# Altium PCB 10515.0461_全联供输出板(2拼版)_V1.0.PcbDoc (part 8 of 9)
Units mm, origin at the board's own origin, x right, y up, seen from the top; angles counter-clockwise.
Board outline 283.88 x 134.8 mm, 2 copper layers (Top Layer, Bottom Layer); 298 components, 0 nets, 1264 pads, 970 vias.
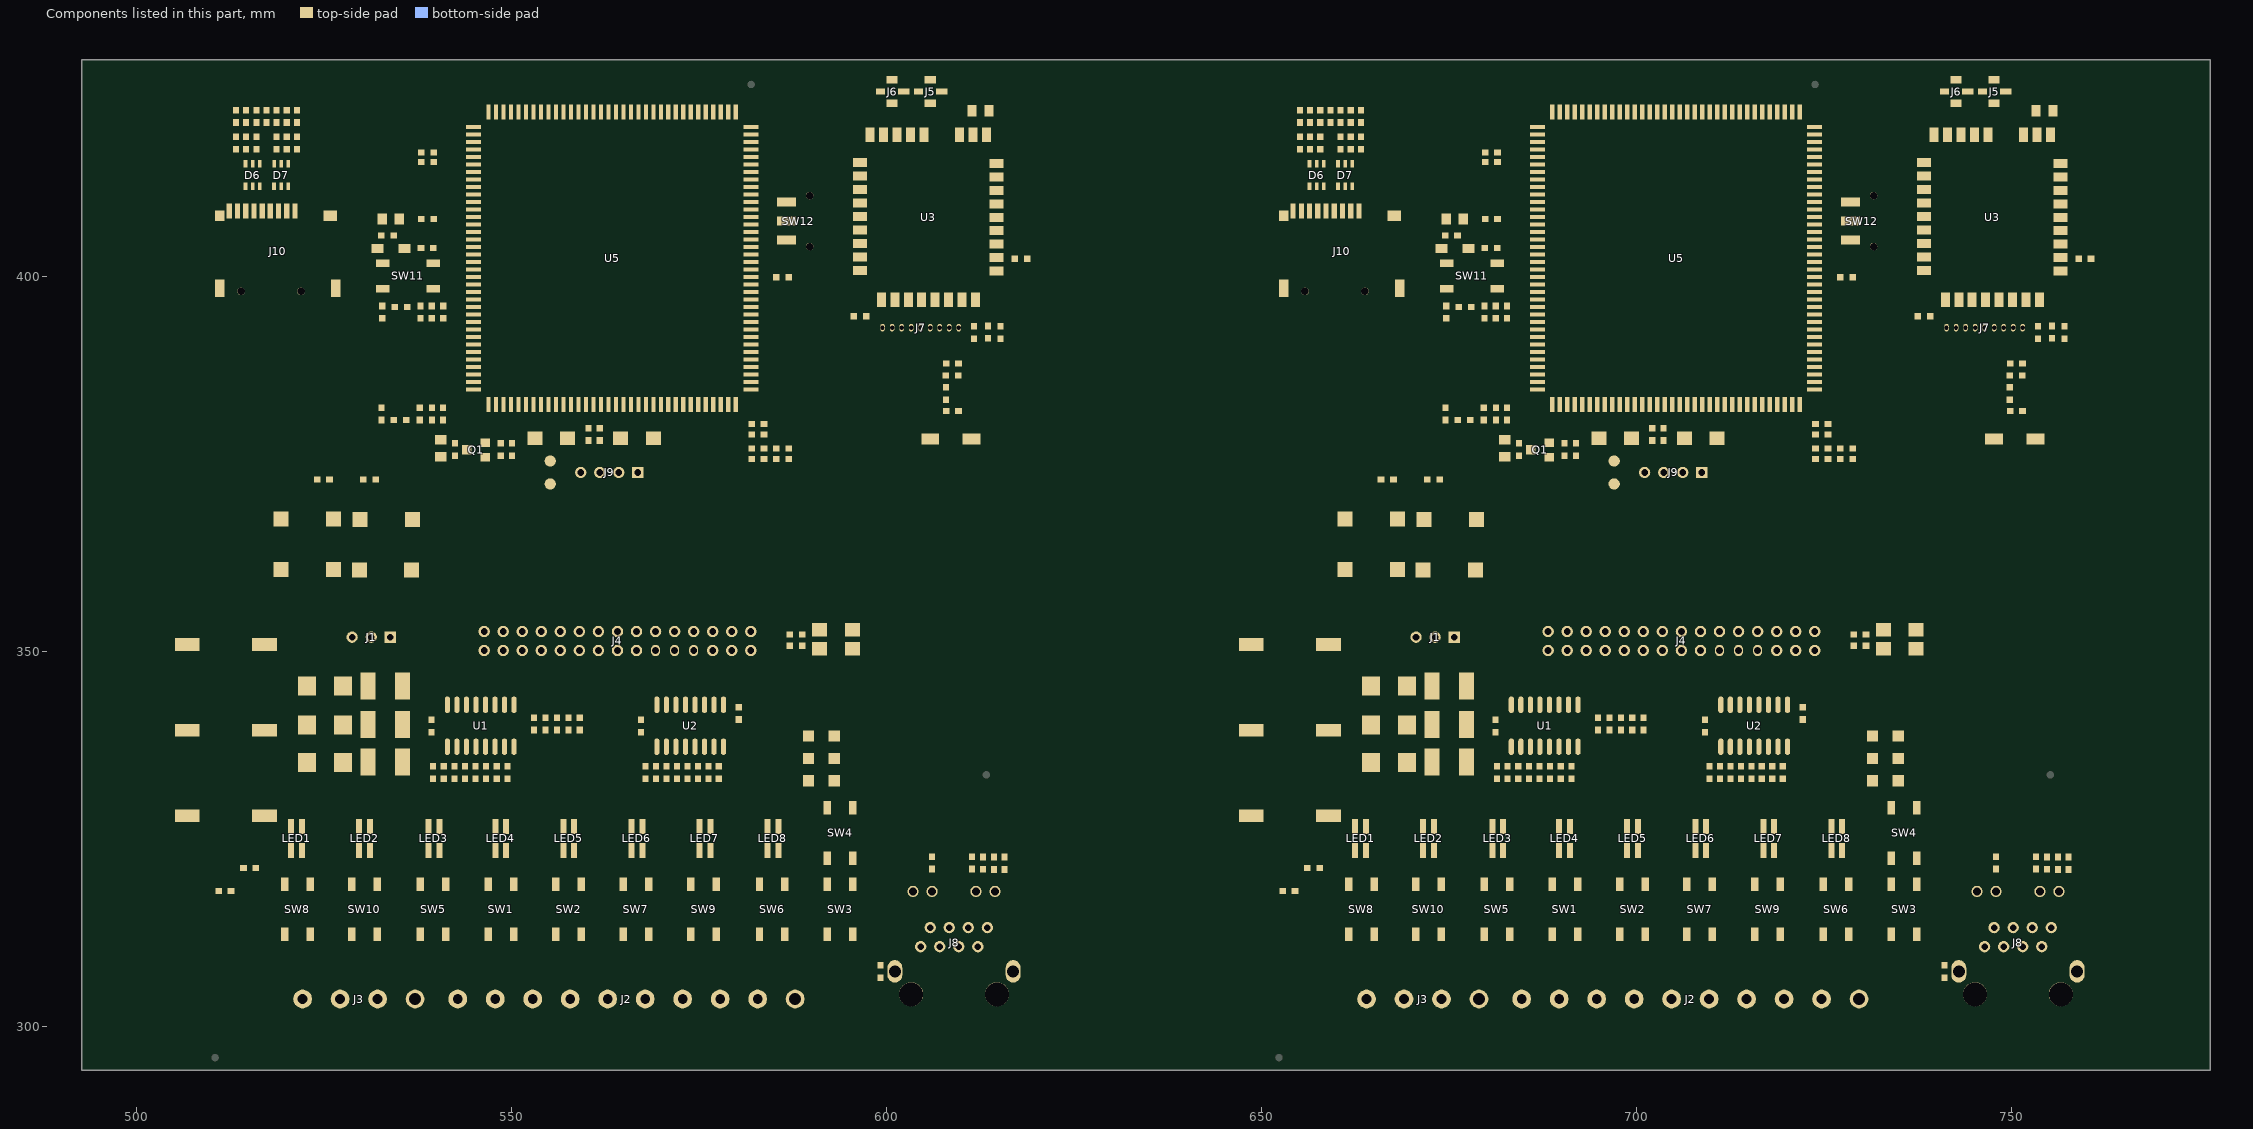
[diagram p8: the components of this part, seen from the top]

## Via types
v1: diameter 0.7, hole 0.4, Top Layer to Bottom Layer, tented both sides, 970 vias

## Nets (pads, with @x,y where several pads share a name; then routed paths per layer and width w, separated by ;. In a path a pad name is that pad's centre, name@x,y a point inside that pad or via, vN(x,y) a via of type N, cw(c..) or ccw(c..) an arc to the next point about the centre after c; other vN are vias at no path point) (continued)
copper on no net: (continued)
  Bottom Layer w0.8: v1(510.159,328.035) 513.541,328.035 514.223,327.353 v1(514.223,323.035) v1(514.223,322.273) ; v1@519.126,413.205 ccw(c519.619,413.205) 519.27,412.857 ; 520.319,411.808 519.875,412.253 ; 522.915,412.253 ccw(c522.915,413.216) v1@523.597,412.535 ; v1@523.526,412.535 ccw(c524.207,413.216) 524.207,412.253 ; v1@528.955,398.219 531.876,395.298 v1(531.876,380.693) ; v1@529.54,375.103 ccw(c530.2,375.13) v1(530.2,374.47) ; v1@529.555,374.505 cw(c531.002,373.058) 531.002,375.105 ; v1@529.555,375.07 ccw(c531.002,376.517) 531.002,374.47 ; v1@529.59,374.225 cw(c530.612,374.225) v1@530.178,375.15 ; v1@529.59,374.495 cw(c530.252,374.495) v1@530.195,375.155 ; v1@529.594,375.155 cw(c529.538,374.495) v1@530.2,374.495 ; v1@529.596,374.42 ccw(c529.51,375.105) v1(530.2,375.105) v1(530.2,374.47) ; v1@529.611,375.15 cw(c529.178,374.225) v1@530.2,374.225 ; v1@530.164,374.505 cw(c531.612,373.058) 531.612,375.105 ; v1@530.164,375.07 ccw(c531.612,376.517) 531.612,374.47 ; v1@530.193,374.42 cw(c530.28,375.105) v1(529.59,375.105) ; v1@530.25,374.472 ccw(c529.59,374.445) v1(529.59,375.105) ; v1(533.4,392.758) 533.4,395.806 530.606,398.6 530.606,410.538 ; 542.066,373.327 cw(c542.066,372.147) v1@542.901,372.981 ; v1@542.83,372.981 cw(c543.664,372.147) 543.664,373.327 ; v1(544.576,382.598) 544.576,379.804 545.211,379.169 v1(546.481,379.169) ; 549.91,373.327 551.815,371.422 563.753,371.422 ; 550.672,373.327 550.672,373.2 551.815,372.057 ; 551.815,371.838 cw(c553.36,371.838) v1@552.489,373.114 ; 551.815,373.327 551.815,372.057 ; 552.025,373.327 cw(c552.025,372.58) v1@552.553,373.108 ; 552.381,372.623 ccw(c551.93,373.073) v1@552.567,373.073 ; v1@552.482,373.108 cw(c553.01,372.58) 553.01,373.327 ; v1@552.498,373.119 cw(c552.844,372.264) 553.496,372.916 ; v1@552.517,373.023 ccw(c552.517,373.66) 552.968,373.21 ; v1@552.517,373.123 cw(c552.517,371.26) 553.835,372.577 ; v1@552.544,373.115 cw(c551.904,372.123) 553.085,372.123 ; v1@552.553,373.038 ccw(c551.267,374.323) 553.085,374.323 ; 553.085,372.311 553.085,373.327 ; 553.085,374.597 552.323,373.835 540.385,373.835 539.115,375.105 538.353,375.105 ; v1(553.085,376.756) 553.085,373.327 ; 554.355,372.057 553.085,373.327 ; 562.483,372.057 564.261,373.835 ; 563.817,372.502 ccw(c563.147,373.171) 563.96,373.656 ; 563.911,373.835 cw(c563.066,373.835) 563.664,373.238 cw(c564.261,372.64) 564.261,373.485 ; v1@567.421,375.994 ccw(c567.421,378.041) v1@568.868,376.594 ; v1@567.898,376.609 ccw(c568.833,377.012) v1(568.833,375.994) v1(567.309,375.994) ; v1(567.944,376.629) v1(567.309,375.994) ; v1@567.994,376.625 cw(c567.309,376.681) v1(567.309,375.994) ; 570.006,371.422 ccw(c570.006,372.602) v1@570.841,371.768 ; v1@570.77,371.768 ccw(c571.604,372.602) 571.604,371.422 ; 571.918,371.422 ccw(c571.918,373.036) v1@573.059,371.895 ; v1@572.989,371.895 ccw(c574.13,373.036) 574.13,371.422 ; 576.631,371.422 ccw(c576.631,372.299) v1@577.25,371.679 ; 576.814,371.93 cw(c576.814,371.314) v1@577.25,371.749 ; v1@577.18,371.679 ccw(c577.799,372.299) 577.799,371.422 ; v1@577.18,371.749 cw(c577.616,371.314) 577.616,371.93 ; 582.399,371.422 ccw(c582.399,373.036) v1@583.541,371.895 ; v1@583.47,371.895 ccw(c584.611,373.036) 584.611,371.422 ; 587.786,371.93 cw(c587.786,370.75) v1@588.621,371.584 ; v1@588.55,371.584 cw(c589.384,370.75) 589.384,371.93 ; v1@588.927,374.371 ccw(c590.222,375.666) 590.222,373.835 ; v1@588.991,373.87 cw(c590.438,372.423) 590.438,374.47 ; v1@589.012,374.402 cw(c588.391,374.459) v1(588.391,373.835) ; 591.85,371.93 cw(c591.85,370.75) v1@592.685,371.584 ; v1@592.614,371.584 cw(c593.448,370.75) 593.448,371.93 ; 595.3,371.422 ccw(c595.3,372.299) v1@595.919,371.679 ; 595.483,371.93 cw(c595.483,371.314) v1@595.919,371.749 ; v1@595.849,371.679 ccw(c596.468,372.299) 596.468,371.422 ; v1@595.849,371.749 cw(c596.285,371.314) 596.285,371.93 ; 599.679,374.47 cw(c599.679,372.423) v1@601.126,373.87 ; 600.112,371.93 cw(c600.112,370.316) v1@601.253,371.457 ; 600.441,374.47 cw(c600.441,372.423) v1@601.888,373.87 ; 600.493,371.422 ccw(c600.493,373.036) v1@601.634,371.895 ; 600.874,371.93 cw(c600.874,370.316) v1@602.015,371.457 ; v1@601.048,373.86 cw(c602.107,373.245) v1(602.107,374.47) ; v1@601.183,371.457 cw(c602.324,370.316) v1@602.324,371.93 ; v1@601.382,371.422 ccw(c601.382,373.036) v1@602.523,371.895 ; v1@601.567,371.892 ccw(c602.007,372.411) v1(602.488,371.93) ; v1@601.93,371.427 cw(c602.488,371.369) v1(602.488,371.93) ; v1@602.538,371.925 cw(c601.98,371.983) v1(601.98,371.422) ; v1(652.059,328.035) 655.441,328.035 656.123,327.353 v1(656.123,323.035) v1(656.123,322.273) ; v1@661.026,413.205 ccw(c661.518,413.205) 661.17,412.857 ; 662.219,411.808 661.774,412.253 ; 664.815,412.253 ccw(c664.815,413.216) v1@665.497,412.535 ; v1@665.426,412.535 ccw(c666.107,413.216) 666.107,412.253 ; v1@670.855,398.219 673.776,395.298 v1(673.776,380.693) ; v1@671.44,375.103 ccw(c672.1,375.13) v1(672.1,374.47) ; v1@671.455,374.505 cw(c672.902,373.058) 672.902,375.105 ; v1@671.455,375.07 ccw(c672.902,376.517) 672.902,374.47 ; v1@671.49,374.225 cw(c672.512,374.225) v1@672.078,375.15 ; v1@671.49,374.495 cw(c672.152,374.495) v1@672.095,375.155 ; v1@671.494,375.155 cw(c671.438,374.495) v1@672.1,374.495 ; v1@671.496,374.42 ccw(c671.41,375.105) v1(672.1,375.105) v1(672.1,374.47) ; v1@671.511,375.15 cw(c671.078,374.225) v1@672.1,374.225 ; v1@672.064,374.505 cw(c673.512,373.058) 673.512,375.105 ; v1@672.064,375.07 ccw(c673.512,376.517) 673.512,374.47 ; v1@672.093,374.42 cw(c672.18,375.105) v1(671.49,375.105) ; v1@672.15,374.472 ccw(c671.49,374.445) v1(671.49,375.105) ; v1(675.3,392.758) 675.3,395.806 672.506,398.6 672.506,410.538 ; 683.966,373.327 cw(c683.966,372.147) v1@684.801,372.981 ; v1@684.73,372.981 cw(c685.564,372.147) 685.564,373.327 ; v1(686.476,382.598) 686.476,379.804 687.111,379.169 v1(688.381,379.169) ; 691.81,373.327 693.715,371.422 705.653,371.422 ; 692.572,373.327 692.572,373.2 693.715,372.057 ; 693.715,371.838 cw(c695.26,371.838) v1@694.389,373.114 ; 693.715,373.327 693.715,372.057 ; 693.925,373.327 cw(c693.925,372.58) v1@694.453,373.108 ; 694.281,372.623 ccw(c693.83,373.073) v1@694.467,373.073 ; v1@694.382,373.108 cw(c694.91,372.58) 694.91,373.327 ; v1@694.398,373.119 cw(c694.744,372.264) 695.396,372.916 ; v1@694.417,373.023 ccw(c694.417,373.66) 694.868,373.21 ; v1@694.417,373.123 cw(c694.417,371.26) 695.735,372.577 ; v1@694.444,373.115 cw(c693.804,372.123) 694.985,372.123 ; v1@694.453,373.038 ccw(c693.167,374.323) 694.985,374.323 ; 694.985,372.311 694.985,373.327 ; 694.985,374.597 694.223,373.835 682.285,373.835 681.015,375.105 680.253,375.105 ; v1(694.985,376.756) 694.985,373.327 ; 696.255,372.057 694.985,373.327 ; 704.383,372.057 706.161,373.835 ; 705.717,372.502 ccw(c705.047,373.171) 705.86,373.656 ; 705.811,373.835 cw(c704.966,373.835) 705.564,373.238 cw(c706.161,372.64) 706.161,373.485 ; v1@709.321,375.994 ccw(c709.321,378.041) v1@710.768,376.594 ; v1@709.798,376.609 ccw(c710.733,377.012) v1(710.733,375.994) v1(709.209,375.994) ; v1(709.844,376.629) v1(709.209,375.994) ; v1@709.894,376.625 cw(c709.209,376.681) v1(709.209,375.994) ; 711.906,371.422 ccw(c711.906,372.602) v1@712.741,371.768 ; v1@712.67,371.768 ccw(c713.504,372.602) 713.504,371.422 ; 713.818,371.422 ccw(c713.818,373.036) v1@714.959,371.895 ; v1@714.889,371.895 ccw(c716.03,373.036) 716.03,371.422 ; 718.531,371.422 ccw(c718.531,372.299) v1@719.15,371.679 ; 718.714,371.93 cw(c718.714,371.314) v1@719.15,371.749 ; v1@719.08,371.679 ccw(c719.699,372.299) 719.699,371.422 ; v1@719.08,371.749 cw(c719.516,371.314) 719.516,371.93 ; 724.299,371.422 ccw(c724.299,373.036) v1@725.441,371.895 ; v1@725.37,371.895 ccw(c726.511,373.036) 726.511,371.422 ; 729.686,371.93 cw(c729.686,370.75) v1@730.521,371.584 ; v1@730.45,371.584 cw(c731.284,370.75) 731.284,371.93 ; v1@730.827,374.371 ccw(c732.122,375.666) 732.122,373.835 ; v1@730.891,373.87 cw(c732.338,372.423) 732.338,374.47 ; v1@730.912,374.402 cw(c730.291,374.459) v1(730.291,373.835) ; 733.75,371.93 cw(c733.75,370.75) v1@734.585,371.584 ; v1@734.514,371.584 cw(c735.348,370.75) 735.348,371.93 ; 737.2,371.422 ccw(c737.2,372.299) v1@737.819,371.679 ; 737.383,371.93 cw(c737.383,371.314) v1@737.819,371.749 ; v1@737.749,371.679 ccw(c738.368,372.299) 738.368,371.422 ; v1@737.749,371.749 cw(c738.185,371.314) 738.185,371.93 ; 741.579,374.47 cw(c741.579,372.423) v1@743.026,373.87 ; 742.012,371.93 cw(c742.012,370.316) v1@743.153,371.457 ; 742.341,374.47 cw(c742.341,372.423) v1@743.788,373.87 ; 742.393,371.422 ccw(c742.393,373.036) v1@743.534,371.895 ; 742.774,371.93 cw(c742.774,370.316) v1@743.915,371.457 ; v1@742.948,373.86 cw(c744.007,373.245) v1(744.007,374.47) ; v1@743.083,371.457 cw(c744.224,370.316) v1@744.224,371.93 ; v1@743.282,371.422 ccw(c743.282,373.036) v1@744.423,371.895 ; v1@743.467,371.892 ccw(c743.907,372.411) v1(744.388,371.93) ; v1@743.83,371.427 cw(c744.388,371.369) v1(744.388,371.93) ; v1@744.438,371.925 cw(c743.88,371.983) v1(743.88,371.422) ; 519.875,412.253 529.654,412.253 530.606,411.3 530.606,410.538 ; 519.875,412.253 519.176,412.951 v1(519.176,413.205) 519.176,412.189 519.557,411.808 529.336,411.808 530.606,410.538 ; v1(529.59,374.47) ccw(c529.59,375.13) 530.25,375.103 cw(c529.59,375.13) v1(529.59,374.47) ; v1(529.59,374.47) 538.988,374.47 540.131,373.327 ; v1(529.59,374.47) v1(530.2,374.47) ; v1(529.59,374.47) v1(529.59,375.105) ; v1(529.59,375.105) 538.353,375.105 ; 538.353,375.105 540.131,373.327 ; 540.131,373.327 553.085,373.327 ; 551.815,372.057 563.372,372.057 564.261,372.946 564.261,373.835 ; 551.815,372.057 553.085,373.327 ; 563.753,371.422 v1(601.98,371.422) ; 563.753,371.422 564.261,371.93 564.261,372.438 ; 564.261,372.438 564.769,371.93 v1(602.488,371.93) ; 564.261,372.438 564.261,373.835 ; 564.261,372.99 ccw(c563.416,372.99) 564.014,373.588 cw(c563.416,372.99) 564.261,372.99 ; 564.261,372.99 cw(c565.106,372.99) 564.508,373.588 ccw(c565.106,372.99) 564.261,372.99 ; v1(588.391,373.835) 589.026,374.47 v1(602.107,374.47) ; v1(588.391,373.835) v1(601.853,373.835) 602.107,374.089 v1(602.107,374.47) ; v1(601.98,371.422) v1(602.488,371.93) ; 661.774,412.253 671.553,412.253 672.506,411.3 672.506,410.538 ; 661.774,412.253 661.076,412.951 v1(661.076,413.205) 661.076,412.189 661.457,411.808 671.236,411.808 672.506,410.538 ; v1(671.49,374.47) ccw(c671.49,375.13) 672.15,375.103 cw(c671.49,375.13) v1(671.49,374.47) ; v1(671.49,374.47) 680.888,374.47 682.031,373.327 ; v1(671.49,374.47) v1(672.1,374.47) ; v1(671.49,374.47) v1(671.49,375.105) ; v1(671.49,375.105) 680.253,375.105 ; 680.253,375.105 682.031,373.327 ; 682.031,373.327 694.985,373.327 ; 693.715,372.057 705.272,372.057 706.161,372.946 706.161,373.835 ; 693.715,372.057 694.985,373.327 ; 705.653,371.422 v1(743.88,371.422) ; 705.653,371.422 706.161,371.93 706.161,372.438 ; 706.161,372.438 706.669,371.93 v1(744.388,371.93) ; 706.161,372.438 706.161,373.835 ; 706.161,372.99 ccw(c705.316,372.99) 705.914,373.588 cw(c705.316,372.99) 706.161,372.99 ; 706.161,372.99 cw(c707.006,372.99) 706.408,373.588 ccw(c707.006,372.99) 706.161,372.99 ; v1(730.291,373.835) 730.926,374.47 v1(744.007,374.47) ; v1(730.291,373.835) v1(743.753,373.835) 744.007,374.089 v1(744.007,374.47) ; v1(743.88,371.422) v1(744.388,371.93)
  Bottom Layer w1: 533.781,348.26 533.781,351.864 ; v1@546.608,323.416 v1(556.006,323.416) ; 675.681,348.26 675.681,351.864 ; v1@688.508,323.416 v1(697.906,323.416)
  Bottom Layer w1.5: v1@506.73,349.07 ccw(c507.395,349.735) 508.006,349.02 ; 507.336,348.152 ccw(c507.382,348.198) 507.382,348.133 ; 507.336,348.718 cw(c507.88,348.174) 507.88,348.943 ; 507.358,348.943 cw(c507.358,348.174) 507.902,348.718 ; 507.463,349.041 ccw(c507.7,349.278) 507.7,348.943 ; 507.792,348.943 ccw(c507.792,349.278) 508.029,349.041 ; 508.479,347.321 cw(c510.44,345.36) v1@510.44,348.133 ; 508.703,348.943 cw(c508.703,347.741) 509.553,348.591 ; v1@508.989,348.133 cw(c508.989,345.36) 510.95,347.321 ; 509.189,348.943 ccw(c509.189,349.278) 509.426,349.041 ; 509.27,348.708 cw(c509.27,348.447) 509.454,348.632 ; 509.594,348.492 cw(c509.409,348.308) 509.67,348.308 ; 509.751,348.133 cw(c509.751,345.36) 511.712,347.321 ; 510.384,347.321 cw(c512.345,345.36) 512.345,348.133 ; 511.146,347.321 cw(c513.107,345.36) 513.107,348.133 ; 519.811,347.038 519.811,355.547 521.017,356.754 ; 520.356,357.706 cw(c520.356,355.203) 522.126,356.973 ; 520.738,348.279 ccw(c521.091,348.632) 521.091,348.133 ; 520.951,348.133 ccw(c520.951,348.632) 521.304,348.279 ; 521.56,356.973 cw(c523.33,355.203) v1@523.33,357.706 ; v1@521.652,356.754 ccw(c521.652,359.04) 523.269,357.423 ; 521.667,357.445 ccw(c523.176,358.747) v1@523.176,356.754 ; 522.317,357.507 cw(c521.018,358.251) 521.018,356.754 ; 522.545,356.938 cw(c524.129,355.689) v1(524.129,357.706) ; 522.567,357.706 cw(c522.567,355.636) 524.031,357.1 ; 523.348,356.817 cw(c523.609,356.817) 523.424,357.001 ; 523.564,357.141 cw(c523.748,356.956) 523.748,357.217 ; 537.087,348.133 cw(c537.087,346.661) 538.128,347.702 ; 537.562,347.136 ccw(c537.799,347.373) 537.799,347.038 ; 537.562,347.702 cw(c538.603,346.661) v1@538.603,348.133 ; 537.891,347.038 ccw(c537.891,347.373) 538.128,347.136 ; 537.943,346.94 cw(c538.18,346.703) 538.18,347.038 ; 538.103,348.133 cw(c538.103,346.661) 539.144,347.702 ; 538.272,347.038 cw(c538.272,346.703) 538.509,346.94 ; 538.451,348.152 ccw(c538.497,348.198) 538.497,348.133 ; 538.578,347.136 ccw(c538.815,347.373) 538.815,347.038 ; 538.578,347.702 cw(c539.619,346.661) v1@539.619,348.133 ; 538.907,347.038 ccw(c538.907,347.373) 539.144,347.136 ; 538.971,348.133 ccw(c538.971,348.198) 539.017,348.152 ; 539.34,348.152 ccw(c539.386,348.198) 539.386,348.133 ; 539.86,348.133 ccw(c539.86,348.198) 539.906,348.152 ; 554.561,347.038 556.466,348.943 ; 555.371,347.038 556.466,348.133 ; 555.637,348.114 ccw(c553.666,350.086) 556.454,350.086 ; 556.459,350.077 cw(c554.289,347.337) 557.784,347.337 ; 556.458,352.618 cw(c553.255,349.415) 557.784,349.415 ; 556.459,350.096 ccw(c554.706,352.626) 557.784,352.626 ; 557.784,347.381 cw(c561.353,347.381) 559.014,350.077 ; 557.784,347.673 557.784,352.626 ; 557.784,349.647 cw(c561.985,349.647) 559.014,352.618 ; 559.006,350.086 556.466,350.086 ; 559.013,350.095 cw(c561.003,352.626) 557.784,352.626 ; v1@648.63,349.07 ccw(c649.295,349.735) 649.906,349.02 ; 649.236,348.152 ccw(c649.282,348.198) 649.282,348.133 ; 649.236,348.718 cw(c649.78,348.174) 649.78,348.943 ; 649.258,348.943 cw(c649.258,348.174) 649.802,348.718 ; 649.363,349.041 ccw(c649.6,349.278) 649.6,348.943 ; 649.692,348.943 ccw(c649.692,349.278) 649.929,349.041 ; 650.379,347.321 cw(c652.34,345.36) v1@652.34,348.133 ; 650.603,348.943 cw(c650.603,347.741) 651.453,348.591 ; v1@650.889,348.133 cw(c650.889,345.36) 652.85,347.321 ; 651.089,348.943 ccw(c651.089,349.278) 651.326,349.041 ; 651.17,348.708 cw(c651.17,348.447) 651.354,348.632 ; 651.494,348.492 cw(c651.309,348.308) 651.57,348.308 ; 651.651,348.133 cw(c651.651,345.36) 653.612,347.321 ; 652.284,347.321 cw(c654.245,345.36) 654.245,348.133 ; 653.046,347.321 cw(c655.007,345.36) 655.007,348.133 ; 661.711,347.038 661.711,355.547 662.917,356.754 ; 662.256,357.706 cw(c662.256,355.203) 664.026,356.973 ; 662.638,348.279 ccw(c662.991,348.632) 662.991,348.133 ; 662.851,348.133 ccw(c662.851,348.632) 663.204,348.279 ; 663.46,356.973 cw(c665.23,355.203) v1@665.23,357.706 ; v1@663.552,356.754 ccw(c663.552,359.04) 665.169,357.423 ; 663.567,357.445 ccw(c665.076,358.747) v1@665.076,356.754 ; 664.217,357.507 cw(c662.918,358.251) 662.918,356.754 ; 664.445,356.938 cw(c666.029,355.689) v1(666.029,357.706) ; 664.467,357.706 cw(c664.467,355.636) 665.931,357.1 ; 665.248,356.817 cw(c665.509,356.817) 665.324,357.001 ; 665.464,357.141 cw(c665.648,356.956) 665.648,357.217 ; 678.987,348.133 cw(c678.987,346.661) 680.028,347.702 ; 679.462,347.136 ccw(c679.699,347.373) 679.699,347.038 ; 679.462,347.702 cw(c680.503,346.661) v1@680.503,348.133 ; 679.791,347.038 ccw(c679.791,347.373) 680.028,347.136 ; 679.843,346.94 cw(c680.08,346.703) 680.08,347.038 ; 680.003,348.133 cw(c680.003,346.661) 681.044,347.702 ; 680.172,347.038 cw(c680.172,346.703) 680.409,346.94 ; 680.351,348.152 ccw(c680.397,348.198) 680.397,348.133 ; 680.478,347.136 ccw(c680.715,347.373) 680.715,347.038 ; 680.478,347.702 cw(c681.519,346.661) v1@681.519,348.133 ; 680.807,347.038 ccw(c680.807,347.373) 681.044,347.136 ; 680.871,348.133 ccw(c680.871,348.198) 680.917,348.152 ; 681.24,348.152 ccw(c681.286,348.198) 681.286,348.133 ; 681.76,348.133 ccw(c681.76,348.198) 681.806,348.152 ; 696.461,347.038 698.366,348.943 ; 697.271,347.038 698.366,348.133 ; 697.537,348.114 ccw(c695.566,350.086) 698.354,350.086 ; 698.358,352.618 cw(c695.155,349.415) 699.684,349.415 ; 698.359,350.077 cw(c696.189,347.337) 699.684,347.337 ; 698.359,350.096 ccw(c696.606,352.626) 699.684,352.626 ; 699.684,347.381 cw(c703.253,347.381) 700.914,350.077 ; 699.684,347.673 699.684,352.626 ; 699.684,349.647 cw(c703.885,349.647) 700.914,352.618 ; 700.906,350.086 698.366,350.086 ; 700.913,350.095 cw(c702.903,352.626) 699.684,352.626 ; v1@507.667,348.133 v1(508.762,347.038) 511.048,347.038 ; v1@507.667,348.133 v1(506.857,348.943) 509.143,348.943 511.048,347.038 ; v1@507.667,348.133 556.466,348.133 ; 511.048,347.038 518.541,347.038 ; 518.541,347.038 518.541,356.182 520.065,357.706 v1(521.97,357.706) ; 518.541,347.038 557.911,347.038 559.006,348.133 559.006,352.626 557.784,352.626 ; 521.017,356.754 v1@523.177,356.754 ; 521.017,356.754 v1(521.97,357.706) ; v1(521.97,357.706) v1(524.129,357.706) ; v1@523.177,356.754 v1(524.129,357.706) ; 556.466,348.133 556.466,348.943 ; 556.466,348.943 556.466,350.086 ; 556.466,350.086 556.466,352.626 557.784,352.626 ; v1@649.567,348.133 v1(650.662,347.038) 652.948,347.038 ; v1@649.567,348.133 v1(648.757,348.943) 651.043,348.943 652.948,347.038 ; v1@649.567,348.133 698.366,348.133 ; 652.948,347.038 660.441,347.038 ; 660.441,347.038 660.441,356.182 661.965,357.706 v1(663.87,357.706) ; 660.441,347.038 699.811,347.038 700.906,348.133 700.906,352.626 699.684,352.626 ; 662.917,356.754 v1@665.076,356.754 ; 662.917,356.754 v1(663.87,357.706) ; v1(663.87,357.706) v1(666.029,357.706) ; v1@665.076,356.754 v1(666.029,357.706) ; 698.366,348.133 698.366,348.943 ; 698.366,348.943 698.366,350.086 ; 698.366,350.086 698.366,352.626 699.684,352.626
  other v1: 515.62,299.578 657.52,299.578 604.012,299.847 745.912,299.847 536.769,300.048 678.669,300.048 525.399,300.086 530.733,300.086 561.975,300.086 566.674,300.086 576.199,300.086 585.851,300.086 595.63,300.086 610.616,300.086 620.776,300.086 667.299,300.086 672.633,300.086 703.875,300.086 708.574,300.086 718.099,300.086 727.751,300.086 737.53,300.086 752.516,300.086 762.676,300.086 552.517,300.302 694.417,300.302 544.703,300.594 616.204,300.594 686.603,300.594 758.104,300.594 592.455,301.61 734.355,301.61 599.253,301.699 741.153,301.699 508.508,302.118 619.252,302.118 650.408,302.118 761.152,302.118 608.203,302.626 750.103,302.626 597.729,303.985 739.629,303.985 593.665,305.001 735.565,305.001 591.312,305.166 608.203,305.166 733.212,305.166 750.103,305.166 516.449,305.763 658.349,305.763 620.589,305.89 762.489,305.89 575.183,306.017 580.965,306.017 717.083,306.017 722.865,306.017 596.646,306.182 738.546,306.182 594.36,306.906 736.26,306.906 558.613,307.033 700.513,307.033 514.925,307.16 656.825,307.16 556.641,307.198 560.959,307.198 564.515,307.198 570.357,307.198 698.541,307.198 702.859,307.198 706.415,307.198 712.257,307.198 614.426,309.23 756.326,309.23 620.081,310.589 761.981,310.589 508.829,311.097 650.729,311.097 602.996,312.278 744.896,312.278 617.541,312.621 759.441,312.621 508.829,313.51 552.577,313.51 650.729,313.51 694.477,313.51 602.809,314.653 744.709,314.653 506.797,314.78 616.017,314.78 648.697,314.78 757.917,314.78 601.285,315.923 743.185,315.923 619.76,316.85 761.66,316.85 509.337,318.082 651.237,318.082 601.285,319.733 743.185,319.733 620.776,319.898 762.676,319.898 600.583,322.146 601.793,322.146 742.483,322.146 743.693,322.146 620.081,322.781 761.981,322.781 507.619,322.946 649.519,322.946 587.248,323.162 729.148,323.162 546.735,323.416 688.635,323.416 588.391,323.454 730.291,323.454 587.569,325.321 589.093,325.321 729.469,325.321 730.993,325.321 602.301,325.702 621.097,325.702 744.201,325.702 762.997,325.702 610.937,327.48 752.837,327.48 587.569,328.623 729.469,328.623 589.026,329.55 730.926,329.55 586.553,330.909 728.453,330.909 602.234,331.074 744.134,331.074 580.136,332.09 722.036,332.09 594.868,332.712 736.768,332.712 537.591,334.122 580.136,334.122 679.491,334.122 722.036,334.122 602.301,334.211 744.201,334.211 610.937,334.973 752.837,334.973 597.729,335.735 739.629,335.735 601.793,336.751 743.693,336.751 537.785,337.259 679.685,337.259 551.688,337.439 693.588,337.439 580.457,337.894 722.357,337.894 543.373,339.344 685.273,339.344 586.105,339.418 595.189,339.418 728.005,339.418 737.089,339.418 537.277,339.545 679.177,339.545 538.032,340.726 679.932,340.726 610.937,342.085 752.837,342.085 596.011,342.25 737.911,342.25 586.553,342.339 728.453,342.339 583.629,342.72 725.528,342.72 512.699,343.266 654.599,343.266 591.125,344.117 733.025,344.117 605.028,344.79 746.928,344.79 588.077,345.006 729.977,345.006 545.211,345.022 687.111,345.022 593.979,345.298 601.472,345.298 735.879,345.298 743.372,345.298 538.226,346.657 680.126,346.657 510.667,347.038 595.189,347.038 652.567,347.038 737.089,347.038 590.423,347.33 732.323,347.33 537.845,347.419 538.861,347.419 587.569,347.419 679.745,347.419 680.761,347.419 729.469,347.419 609.413,347.927 751.313,347.927 511.556,348.181 653.456,348.181 509.27,348.308 510.413,348.308 651.17,348.308 652.313,348.308 526.161,348.346 604.647,348.346 668.061,348.346 746.547,348.346 507.619,348.435 538.734,348.435 649.519,348.435 680.634,348.435 521.021,348.562 662.921,348.562 519.521,349.191 661.421,349.191 507.746,349.324 509.143,349.324 649.646,349.324 651.043,349.324 602.301,349.959 744.201,349.959 512.385,350.647 654.285,350.647 605.857,351.61 747.757,351.61 512.385,353.822 654.285,353.822 517.465,354.076 659.365,354.076 602.301,354.404 744.201,354.404 609.092,354.442 750.992,354.442 595.376,356.474 737.276,356.474 514.925,356.563 656.825,356.563 521.843,356.69 522.859,356.69 663.743,356.69 664.759,356.69 523.748,356.817 665.648,356.817 525.399,356.982 527.431,356.982 533.527,356.982 667.299,356.982 669.331,356.982 675.427,356.982 530.673,357.124 672.573,357.124 507.619,357.49 649.519,357.49 522.986,357.706 664.886,357.706 526.161,358.14 668.061,358.14 528.447,358.267 531.876,358.267 533.527,358.267 670.347,358.267 673.776,358.267 675.427,358.267 512.385,359.103 654.285,359.103 595.697,360.246 737.597,360.246 592.141,361.389 734.041,361.389 509.651,362.57 651.551,362.57 528.133,364.31 670.033,364.31 595.189,364.564 737.089,364.564 515.433,365.453 657.333,365.453 508.381,368.158 650.281,368.158 513.08,368.666 654.98,368.666 593.665,370.025 735.565,370.025 528.133,370.914 670.033,370.914 588.585,371.549 592.649,371.549 605.857,371.549 730.485,371.549 734.549,371.549 747.757,371.549 510.54,371.714 577.215,371.714 595.884,371.714 652.44,371.714 719.115,371.714 737.784,371.714 570.805,371.803 712.705,371.803 573.024,371.93 583.505,371.93 601.599,371.93 714.924,371.93 725.405,371.93 743.499,371.93 608.076,372.73 749.976,372.73 542.865,372.946 617.855,372.946 684.765,372.946 759.755,372.946 552.517,373.073 694.417,373.073 612.969,373.581 754.869,373.581 518.989,374.47 609.921,374.47 660.889,374.47 751.821,374.47 608.076,374.762 749.976,374.762 514.417,375.486 656.317,375.486 507.305,375.74 649.205,375.74 615.509,375.867 757.409,375.867 527.939,376.286 669.839,376.286 568.833,376.629 710.733,376.629 534.162,376.794 592.709,376.794 676.062,376.794 734.609,376.794 595.697,377.01 737.597,377.01 618.871,377.302 760.771,377.302 537.785,377.518 679.685,377.518 526.288,377.81 614.934,377.81 668.188,377.81 756.834,377.81 512.572,378.318 654.472,378.318 534.162,378.826 537.083,378.826 617.093,378.826 676.062,378.826 678.983,378.826 758.993,378.826 544.389,378.915 686.289,378.915 521.208,379.334 542.798,379.334 548.132,379.334 595.503,379.334 663.108,379.334 684.698,379.334 690.032,379.334 737.403,379.334 549.469,379.55 592.141,379.55 691.369,379.55 734.041,379.55 517.779,379.842 659.679,379.842 527.625,380.058 669.525,380.058 612.775,380.35 754.675,380.35 617.033,381.582 619.573,381.582 758.933,381.582 761.473,381.582 615.001,382.471 756.901,382.471 542.865,382.725 684.765,382.725 526.542,382.89 668.442,382.89 529.463,383.398 671.363,383.398 509.337,383.614 651.237,383.614 506.984,383.906 648.884,383.906 614.807,384.414 756.707,384.414 515.941,384.503 657.841,384.503 611.953,384.757 753.853,384.757 542.357,385.138 684.257,385.138 548.767,385.91 553.593,385.91 690.667,385.91 695.493,385.91 521.208,385.938 557.276,385.938 663.108,385.938 699.176,385.938 617.033,386.027 758.933,386.027 569.281,386.408 711.181,386.408 530.673,386.789 672.573,386.789 577.977,386.954 719.877,386.954 535.245,387.17 677.145,387.17 512.385,387.805 654.285,387.805 614.68,387.97 756.58,387.97 618.049,388.44 759.949,388.44 508.321,388.694 518.481,388.694 650.221,388.694 660.381,388.694 538.293,388.948 680.193,388.948 533.4,388.986 540.893,388.986 567.563,388.986 572.77,388.986 675.3,388.986 682.793,388.986 709.463,388.986 714.67,388.986 523.875,390.002 665.775,390.002 555.565,390.472 697.465,390.472 619.76,391.234 761.66,391.234 584.013,391.361 725.913,391.361 617.541,392.123 759.441,392.123 535.245,392.25 677.145,392.25 559.054,392.542 568.452,392.542 700.954,392.542 710.352,392.542 530.673,392.758 672.573,392.758 578.425,392.885 720.325,392.885 514.417,393.012 656.317,393.012 584.2,393.558 726.1,393.558 550.672,394.066 692.572,394.066 555.625,394.574 697.525,394.574 588.585,394.663 730.485,394.663 507.305,394.917 649.205,394.917 591.312,395.082 733.212,395.082 573.853,395.298 715.753,395.298 519.811,396.098 661.711,396.098 590.617,397.457 732.517,397.457 584.013,397.838 725.913,397.838 507.305,398.473 649.205,398.473 542.163,398.638 565.531,398.638 684.063,398.638 707.431,398.638 517.652,399.654 659.552,399.654 535.245,399.87 677.145,399.87 530.673,399.997 532.705,399.997 537.785,399.997 672.573,399.997 674.605,399.997 679.685,399.997 575.377,400.124 717.277,400.124 569.341,400.162 590.931,400.162 711.241,400.162 732.831,400.162 523.561,401.267 665.461,401.267 558.038,401.686 699.938,401.686 530.673,401.775 672.573,401.775 542.357,401.902 684.257,401.902 516.449,402.029 658.349,402.029 526.288,402.194 668.188,402.194 509.524,402.702 586.867,402.702 651.424,402.702 728.767,402.702 584.013,402.918 725.913,402.918 549.529,403.21 691.429,403.21 513.401,403.426 565.725,403.426 655.301,403.426 707.625,403.426 541.528,403.718 683.428,403.718 542.357,404.188 684.257,404.188 507.492,404.226 520.827,404.226 649.392,404.226 662.727,404.226 526.288,404.734 668.188,404.734 572.329,405.204 714.229,405.204 523.24,405.75 665.14,405.75 557.089,406.093 698.989,406.093 575.945,406.258 717.845,406.258 530.479,406.766 551.815,406.766 672.379,406.766 693.715,406.766 508.321,407.49 650.221,407.49 567.757,407.617 709.657,407.617 568.452,407.782 710.352,407.782 590.109,408.506 732.009,408.506 530.673,409.014 542.163,409.014 672.573,409.014 684.063,409.014 506.797,410.03 648.697,410.03 548.386,410.322 690.286,410.322 516.067,410.604 517.779,410.604 657.967,410.604 659.679,410.604 540.512,410.83 682.412,410.83 575.377,411.3 717.277,411.3 508.635,411.846 533.019,411.846 584.835,411.846 650.535,411.846 674.919,411.846 726.735,411.846 554.041,411.935 695.941,411.935 537.785,412.316 679.685,412.316 510.861,412.57 523.561,412.57 652.761,412.57 665.461,412.57 557.403,412.862 699.303,412.862 514.35,412.951 656.25,412.951 578.104,413.37 720.004,413.37 525.593,413.459 667.493,413.459 566.741,413.713 708.641,413.713 542.29,413.878 684.19,413.878 586.553,414.348 728.453,414.348 506.603,414.386 528.447,414.386 648.503,414.386 670.347,414.386 571.821,414.602 713.721,414.602 532.197,414.729 591.125,414.729 674.097,414.729 733.025,414.729 514.355,415.867 515.327,415.867 516.299,415.867 517.271,415.867 656.255,415.867 657.227,415.867 658.199,415.867 659.171,415.867 584.835,415.91 726.735,415.91 532.705,416.253 560.645,416.253 589.601,416.253 674.605,416.253 702.545,416.253 731.501,416.253 509.337,416.888 651.237,416.888 525.78,416.926 667.68,416.926 529.082,417.434 670.982,417.434 523.24,417.942 665.14,417.942 566.741,418.031 708.641,418.031 550.993,418.158 692.893,418.158 530.987,418.45 576.199,418.45 672.887,418.45 718.099,418.45 538.48,418.958 541.274,418.958 680.38,418.958 683.174,418.958 535.753,419.301 677.653,419.301 510.921,419.466 652.821,419.466 569.789,419.682 711.689,419.682 584.073,419.974 725.973,419.974 506.289,420.317 648.189,420.317 524.256,420.482 529.59,420.482 533.908,420.482 666.156,420.482 671.49,420.482 675.808,420.482 606.791,420.937 748.691,420.937 544.897,421.714 686.797,421.714 525.526,422.006 535.051,422.006 539.496,422.006 667.426,422.006 676.951,422.006 681.396,422.006 510.353,422.095 652.253,422.095 506.73,422.514 543.687,422.514 648.63,422.514 685.587,422.514 581.981,422.603 723.881,422.603 530.165,422.73 672.065,422.73 509.016,423.53 650.916,423.53 510.861,424.889 652.761,424.889 507.619,425.054 649.519,425.054 509.27,426.578 651.17,426.578 506.797,427.302 648.697,427.302 511.369,427.429 653.269,427.429

## Polygon pours and split planes (outlines as drawn)
no net on Top Layer "Top Layer-No Net" (hatched 90Degree grid 0.508 track 0.508, remove dead copper, pour order 1001): 647.868,420.99 647.868,428.752 647.995,428.879 668.008,428.879 668.188,428.699 668.188,423.403 666.283,421.498 648.287,421.498 647.868,421.079
no net on Top Layer "Top Layer-No Net" (hatched 90Degree grid 0.508 track 0.508, remove dead copper, pour order 1000): 647.995,300.556 649.773,298.778 762.93,298.778 764.2,300.048 764.2,325.575 763.565,326.21 753.659,326.21 753.024,326.845 753.024,355.293 752.262,356.055 743.118,356.055 743.118,369.898 743.626,370.406 761.025,370.406 761.66,371.041 761.66,415.11 761.406,415.364 757.723,415.364 757.469,415.11 757.469,395.552 756.834,394.917 734.355,394.917 733.466,395.806 733.466,416.126 732.831,416.761 726.735,416.761 726.354,417.142 726.354,422.603 725.846,423.111 649.9,423.111 647.868,421.079
no net on Top Layer "Top Layer-No Net" (hatched 90Degree grid 0.508 track 0.508, remove dead copper, pour order 1001): 505.968,420.99 505.968,428.752 506.095,428.879 526.108,428.879 526.288,428.699 526.288,423.403 524.383,421.498 506.387,421.498 505.968,421.079
no net on Top Layer "Top Layer-No Net" (hatched 90Degree grid 0.508 track 0.508, remove dead copper, pour order 1000): 506.095,300.556 507.873,298.778 621.03,298.778 622.3,300.048 622.3,325.575 621.665,326.21 611.759,326.21 611.124,326.845 611.124,355.293 610.362,356.055 601.218,356.055 601.218,369.898 601.726,370.406 619.125,370.406 619.76,371.041 619.76,415.11 619.506,415.364 615.823,415.364 615.569,415.11 615.569,395.552 614.934,394.917 592.455,394.917 591.566,395.806 591.566,416.126 590.931,416.761 584.835,416.761 584.454,417.142 584.454,422.603 583.946,423.111 508,423.111 505.968,421.079
no net on Bottom Layer "Top Layer-No Net" (hatched 90Degree grid 0.508 track 0.508, remove dead copper, pour order 1003): 647.995,421.206 647.995,428.879 708.394,428.879 708.828,428.445 708.828,424.328 709.717,423.439 709.717,423.149 709.59,423.022 652.545,423.022 650.729,421.206 647.995,421.206
no net on Bottom Layer "Top Layer-No Net" (hatched 90Degree grid 0.508 track 0.508, remove dead copper, pour order 1002): 647.995,300.884 649.773,299.106 762.93,299.106 764.2,300.376 764.2,325.903 763.565,326.538 753.659,326.538 753.024,327.173 753.024,355.621 752.262,356.383 743.118,356.383 743.118,370.226 743.626,370.734 760.898,370.66 761.66,371.422 761.66,415.438 761.406,415.692 757.723,415.692 757.469,415.438 757.469,395.88 756.834,395.245 734.355,395.245 733.466,396.134 733.466,416.454 732.831,417.089 726.735,417.089 726.354,417.47 726.354,422.931 725.846,423.439 649.9,423.439 647.995,421.46
no net on Bottom Layer "Top Layer-No Net" (hatched 90Degree grid 0.508 track 0.508, remove dead copper, pour order 1003): 506.095,421.206 506.095,428.879 566.494,428.879 566.928,428.445 566.928,424.328 567.817,423.439 567.817,423.149 567.69,423.022 510.645,423.022 508.829,421.206 506.095,421.206
no net on Bottom Layer "Top Layer-No Net" (hatched 90Degree grid 0.508 track 0.508, remove dead copper, pour order 1002): 506.095,300.884 507.873,299.106 621.03,299.106 622.3,300.376 622.3,325.903 621.665,326.538 611.759,326.538 611.124,327.173 611.124,355.621 610.362,356.383 601.218,356.383 601.218,370.226 601.726,370.734 618.998,370.66 619.76,371.422 619.76,415.438 619.506,415.692 615.823,415.692 615.569,415.438 615.569,395.88 614.934,395.245 592.455,395.245 591.566,396.134 591.566,416.454 590.931,417.089 584.835,417.089 584.454,417.47 584.454,422.931 583.946,423.439 508,423.439 506.095,421.46

## Keep-outs
Keep-Out Layer:
  circle w0.127: c641.525,363.679 r2
  circle w0.127: c641.525,407.679 r2
  circle w0.127: c641.525,354.079 r2
  circle w0.127: c641.525,300.079 r2
  circle w0.127: c769.525,407.679 r2
  circle w0.127: c769.525,363.679 r2
  circle w0.127: c769.525,354.079 r2
  circle w0.127: c769.525,300.079 r2
  circle w0.127: c758.857,340.15 r1
  circle w0.127: c763.048,340.15 r1
  circle w0.127: c763.048,329.228 r1
  circle w0.127: c758.857,329.228 r1
  circle w0.127: c499.625,363.679 r2
  circle w0.127: c499.625,407.679 r2
  circle w0.127: c499.625,354.079 r2
  circle w0.127: c499.625,300.079 r2
  circle w0.127: c627.625,407.679 r2
  circle w0.127: c627.625,363.679 r2
  circle w0.127: c627.625,354.079 r2
  circle w0.127: c627.625,300.079 r2
  circle w0.127: c616.957,340.15 r1
  circle w0.127: c621.148,340.15 r1
  circle w0.127: c621.148,329.228 r1
  circle w0.127: c616.957,329.228 r1
  circle w0.127: c3926.224,1495.132 r0.05
  circle w0.127: c3929.724,1495.132 r0.05
  circle w0.127: c3946.224,1495.132 r0.05
  circle w0.127: c3949.724,1495.132 r0.05
  circle w0.127: c3926.224,1495.132 r0.25
  circle w0.127: c3929.724,1495.132 r0.25
  circle w0.127: c3946.224,1495.132 r0.25
  circle w0.127: c3949.724,1495.132 r0.25
  circle w0.127: c3937.974,1503.382 r1
  circle w0.127: c3929.724,1491.632 r0.05
  circle w0.127: c3926.224,1491.632 r0.05
  circle w0.127: c3949.724,1491.632 r0.05
  circle w0.127: c3946.224,1491.632 r0.05
  circle w0.127: c3926.224,1491.632 r0.25
  circle w0.127: c3929.724,1491.632 r0.25
  circle w0.127: c3946.224,1491.632 r0.25
  circle w0.127: c3949.724,1491.632 r0.25
  circle w0.127: c3955.045,1486.311 r1
  circle w0.127: c3920.903,1486.311 r1
  circle w0.127: c3927.974,1493.382 r1.093
  circle w0.127: c3947.974,1493.382 r1.093
  circle w0.127: c3927.974,1493.382 r1.292
  circle w0.127: c3947.974,1493.382 r1.292
  circle w0.127: c3927.974,1493.382 r1.3
  circle w0.127: c3947.974,1493.382 r1.3
  circle w0.127: c3854.974,1503.882 r0.3
  circle w0.127: c3852.974,1503.882 r0.3
  circle w0.127: c3850.974,1503.882 r0.3
  circle w0.127: c3848.974,1503.882 r0.3
  circle w0.127: c3846.974,1503.882 r0.3
  circle w0.127: c3844.974,1503.882 r0.3
  circle w0.127: c3842.974,1503.882 r0.3
  circle w0.127: c3840.974,1503.882 r0.3
  circle w0.127: c3838.974,1503.882 r0.3
  circle w0.127: c3836.974,1503.882 r0.3
  circle w0.127: c3834.974,1503.882 r0.3
  circle w0.127: c3832.974,1503.882 r0.3
  circle w0.127: c3866.974,1503.382 r1
  circle w0.127: c3822.974,1503.382 r1
  circle w0.127: c3822.974,1486.311 r0.85
  circle w0.127: c3252.108,957.795 r0.05
  circle w0.127: c3255.608,957.795 r0.05
  circle w0.127: c3272.108,957.795 r0.05
  circle w0.127: c3275.608,957.795 r0.05
  circle w0.127: c3252.108,957.795 r0.25
  circle w0.127: c3255.608,957.795 r0.25
  circle w0.127: c3272.108,957.795 r0.25
  circle w0.127: c3275.608,957.795 r0.25
  circle w0.127: c3263.858,966.045 r1
  circle w0.127: c3255.608,954.295 r0.05
  circle w0.127: c3252.108,954.295 r0.05
  circle w0.127: c3275.608,954.295 r0.05
  circle w0.127: c3272.108,954.295 r0.05
  circle w0.127: c3252.108,954.295 r0.25
  circle w0.127: c3255.608,954.295 r0.25
  circle w0.127: c3272.108,954.295 r0.25
  circle w0.127: c3275.608,954.295 r0.25
  circle w0.127: c3280.929,948.974 r1
  circle w0.127: c3246.787,948.974 r1
  circle w0.127: c3253.858,956.045 r1.093
  circle w0.127: c3273.858,956.045 r1.093
  circle w0.127: c3253.858,956.045 r1.292
  circle w0.127: c3273.858,956.045 r1.292
  circle w0.127: c3253.858,956.045 r1.3
  circle w0.127: c3273.858,956.045 r1.3
  circle w0.127: c3180.858,966.545 r0.3
  circle w0.127: c3178.858,966.545 r0.3
  circle w0.127: c3176.858,966.545 r0.3
  circle w0.127: c3174.858,966.545 r0.3
  circle w0.127: c3172.858,966.545 r0.3
  circle w0.127: c3170.858,966.545 r0.3
  circle w0.127: c3168.858,966.545 r0.3
  circle w0.127: c3166.858,966.545 r0.3
  circle w0.127: c3164.858,966.545 r0.3
  circle w0.127: c3162.858,966.545 r0.3
  circle w0.127: c3160.858,966.545 r0.3
  circle w0.127: c3158.858,966.545 r0.3
  circle w0.127: c3192.858,966.045 r1
  circle w0.127: c3148.858,966.045 r1
  circle w0.127: c3148.858,948.974 r0.85
  lines w0.127: 492.633,308.737 503.682,308.737 503.682,325.374 492.633,325.374 ; 492.633,413.385 503.682,413.385 503.682,428.879 ; 623.568,428.879 623.568,413.385 634.617,413.385 ; 634.533,308.737 645.582,308.737 645.582,325.374 634.533,325.374 ; 634.533,413.385 645.582,413.385 645.582,428.879 ; 634.617,308.737 623.568,308.737 623.568,325.374 634.617,325.374 ; 765.468,428.879 765.468,413.385 776.517,413.385 ; 776.517,308.737 765.468,308.737 765.468,325.374 776.517,325.374 ; 3156.358,965.545 3156.358,964.945 3156.858,964.945 3156.858,968.445 3156.358,968.445 3156.358,967.845 ; 3156.858,965.545 3155.858,965.545 3155.858,963.645 3183.858,963.645 3183.858,965.545 3182.858,965.545 ; 3156.858,967.845 3155.858,967.845 3155.858,969.045 3183.858,969.045 3183.858,967.845 3182.858,967.845 ; 3183.358,965.545 3183.358,964.945 3182.858,964.945 3182.858,968.445 3183.358,968.445 3183.358,967.845 ; 3251.933,953.795 3251.933,951.345 3253.283,951.345 3253.283,953.795 ; 3251.933,958.295 3251.933,960.745 3253.283,960.745 3253.283,958.295 ; 3252.233,953.295 3252.983,953.295 ; 3252.233,953.395 3252.983,953.395 ; 3252.233,953.795 3252.233,952.845 3252.983,952.845 3252.983,953.795 ; 3252.233,958.295 3252.233,959.245 3252.983,959.245 3252.983,958.295 ; 3252.233,958.695 3252.983,958.695 ; 3252.233,958.795 3252.983,958.795 ; 3254.433,953.795 3254.433,951.345 3255.783,951.345 3255.783,953.795 ; 3254.433,958.295 3254.433,960.745 3255.783,960.745 3255.783,958.295 ; 3254.733,953.295 3255.483,953.295 ; 3254.733,953.395 3255.483,953.395 ; 3254.733,953.795 3254.733,952.845 3255.483,952.845 3255.483,953.795 ; 3254.733,958.295 3254.733,959.245 3255.483,959.245 3255.483,958.295 ; 3254.733,958.695 3255.483,958.695 ; 3254.733,958.795 3255.483,958.795 ; 3271.933,953.795 3271.933,951.345 3273.283,951.345 3273.283,953.795 ; 3271.933,958.295 3271.933,960.745 3273.283,960.745 3273.283,958.295 ; 3272.233,953.295 3272.983,953.295 ; 3272.233,953.395 3272.983,953.395 ; 3272.233,953.795 3272.233,952.845 3272.983,952.845 3272.983,953.795 ; 3272.233,958.295 3272.233,959.245 3272.983,959.245 3272.983,958.295 ; 3272.233,958.695 3272.983,958.695 ; 3272.233,958.795 3272.983,958.795 ; 3274.433,953.795 3274.433,951.345 3275.783,951.345 3275.783,953.795 ; 3274.433,958.295 3274.433,960.745 3275.783,960.745 3275.783,958.295 ; 3274.733,953.295 3275.483,953.295 ; 3274.733,953.395 3275.483,953.395 ; 3274.733,953.795 3274.733,952.845 3275.483,952.845 3275.483,953.795 ; 3274.733,958.295 3274.733,959.245 3275.483,959.245 3275.483,958.295 ; 3274.733,958.695 3275.483,958.695 ; 3274.733,958.795 3275.483,958.795 ; 3830.474,1502.882 3830.474,1502.282 3830.974,1502.282 3830.974,1505.782 3830.474,1505.782 3830.474,1505.182 ; 3830.974,1502.882 3829.974,1502.882 3829.974,1500.982 3857.974,1500.982 3857.974,1502.882 3856.974,1502.882 ; 3830.974,1505.182 3829.974,1505.182 3829.974,1506.382 3857.974,1506.382 3857.974,1505.182 3856.974,1505.182 ; 3857.474,1502.882 3857.474,1502.282 3856.974,1502.282 3856.974,1505.782 3857.474,1505.782 3857.474,1505.182 ; 3926.049,1491.132 3926.049,1488.682 3927.399,1488.682 3927.399,1491.132 ; 3926.049,1495.632 3926.049,1498.082 3927.399,1498.082 3927.399,1495.632 ; 3926.349,1490.632 3927.099,1490.632 ; 3926.349,1490.732 3927.099,1490.732 ; 3926.349,1491.132 3926.349,1490.182 3927.099,1490.182 3927.099,1491.132 ; 3926.349,1495.632 3926.349,1496.582 3927.099,1496.582 3927.099,1495.632 ; 3926.349,1496.032 3927.099,1496.032 ; 3926.349,1496.132 3927.099,1496.132 ; 3928.549,1491.132 3928.549,1488.682 3929.899,1488.682 3929.899,1491.132 ; 3928.549,1495.632 3928.549,1498.082 3929.899,1498.082 3929.899,1495.632 ; 3928.849,1490.632 3929.599,1490.632 ; 3928.849,1490.732 3929.599,1490.732 ; 3928.849,1491.132 3928.849,1490.182 3929.599,1490.182 3929.599,1491.132 ; 3928.849,1495.632 3928.849,1496.582 3929.599,1496.582 3929.599,1495.632 ; 3928.849,1496.032 3929.599,1496.032 ; 3928.849,1496.132 3929.599,1496.132 ; 3946.049,1491.132 3946.049,1488.682 3947.399,1488.682 3947.399,1491.132 ; 3946.049,1495.632 3946.049,1498.082 3947.399,1498.082 3947.399,1495.632 ; 3946.349,1490.632 3947.099,1490.632 ; 3946.349,1490.732 3947.099,1490.732 ; 3946.349,1491.132 3946.349,1490.182 3947.099,1490.182 3947.099,1491.132 ; 3946.349,1495.632 3946.349,1496.582 3947.099,1496.582 3947.099,1495.632 ; 3946.349,1496.032 3947.099,1496.032 ; 3946.349,1496.132 3947.099,1496.132 ; 3948.549,1491.132 3948.549,1488.682 3949.899,1488.682 3949.899,1491.132 ; 3948.549,1495.632 3948.549,1498.082 3949.899,1498.082 3949.899,1495.632 ; 3948.849,1490.632 3949.599,1490.632 ; 3948.849,1490.732 3949.599,1490.732 ; 3948.849,1491.132 3948.849,1490.182 3949.599,1490.182 3949.599,1491.132 ; 3948.849,1495.632 3948.849,1496.582 3949.599,1496.582 3949.599,1495.632 ; 3948.849,1496.032 3949.599,1496.032 ; 3948.849,1496.132 3949.599,1496.132 ; 492.633,294.079 492.633,428.879 503.125,428.879 624.125,428.879 634.617,428.879 634.617,294.079 624.125,294.079 503.125,294.079 492.633,294.079 ; 539.115,356.563 539.115,369.898 588.137,369.898 588.137,356.563 539.115,356.563 ; 601.472,356.563 601.472,369.898 622.554,369.898 622.554,356.563 622.554,343.736 612.14,343.736 612.14,355.928 ccw(c611.505,355.928) 611.505,356.563 601.472,356.563 ; 634.533,294.079 634.533,428.879 645.025,428.879 766.025,428.879 776.517,428.879 776.517,294.079 766.025,294.079 645.025,294.079 634.533,294.079 ; 681.015,356.563 681.015,369.898 730.037,369.898 730.037,356.563 681.015,356.563 ; 743.372,356.563 743.372,369.898 764.454,369.898 764.454,356.563 764.454,343.736 754.04,343.736 754.04,355.928 ccw(c753.405,355.928) 753.405,356.563 743.372,356.563 ; 3143.858,945.045 3283.858,945.045 3283.858,970.045 3143.858,970.045 3143.858,945.045 ; 3157.458,964.145 3157.458,967.645 3159.983,967.645 3159.983,968.545 3179.733,968.545 3179.733,967.645 3182.258,967.645 3182.258,964.145 3157.458,964.145 ; 3251.608,953.995 ccw(c3251.808,953.995) 3251.808,953.795 3255.908,953.795 ccw(c3255.908,953.995) 3256.108,953.995 3256.108,958.095 ccw(c3255.908,958.095) 3255.908,958.295 3251.808,958.295 ccw(c3251.808,958.095) 3251.608,958.095 3251.608,953.995 ; 3271.608,953.995 ccw(c3271.808,953.995) 3271.808,953.795 3275.908,953.795 ccw(c3275.908,953.995) 3276.108,953.995 3276.108,958.095 ccw(c3275.908,958.095) 3275.908,958.295 3271.808,958.295 ccw(c3271.808,958.095) 3271.608,958.095 3271.608,953.995 ; 3817.974,1482.382 3957.974,1482.382 3957.974,1507.382 3817.974,1507.382 3817.974,1482.382 ; 3831.574,1501.482 3831.574,1504.982 3834.099,1504.982 3834.099,1505.882 3853.849,1505.882 3853.849,1504.982 3856.374,1504.982 3856.374,1501.482 3831.574,1501.482 ; 3925.724,1491.332 ccw(c3925.924,1491.332) 3925.924,1491.132 3930.024,1491.132 ccw(c3930.024,1491.332) 3930.224,1491.332 3930.224,1495.432 ccw(c3930.024,1495.432) 3930.024,1495.632 3925.924,1495.632 ccw(c3925.924,1495.432) 3925.724,1495.432 3925.724,1491.332 ; 3945.724,1491.332 ccw(c3945.924,1491.332) 3945.924,1491.132 3950.024,1491.132 ccw(c3950.024,1491.332) 3950.224,1491.332 3950.224,1495.432 ccw(c3950.024,1495.432) 3950.024,1495.632 3945.924,1495.632 ccw(c3945.924,1495.432) 3945.724,1495.432 3945.724,1491.332